# Altium PCB CT310高端控制盒核心板电路V1.3.PcbDoc (part 5 of 10)
Units mil, origin at the board's own origin, x right, y up, seen from the top; angles counter-clockwise.
Board outline 3735.76 x 4625 mil, 2 copper layers (TOP, BOTTOM), stack 10.4 mil thick; 198 components, 362 nets, 1085 pads, 352 vias.
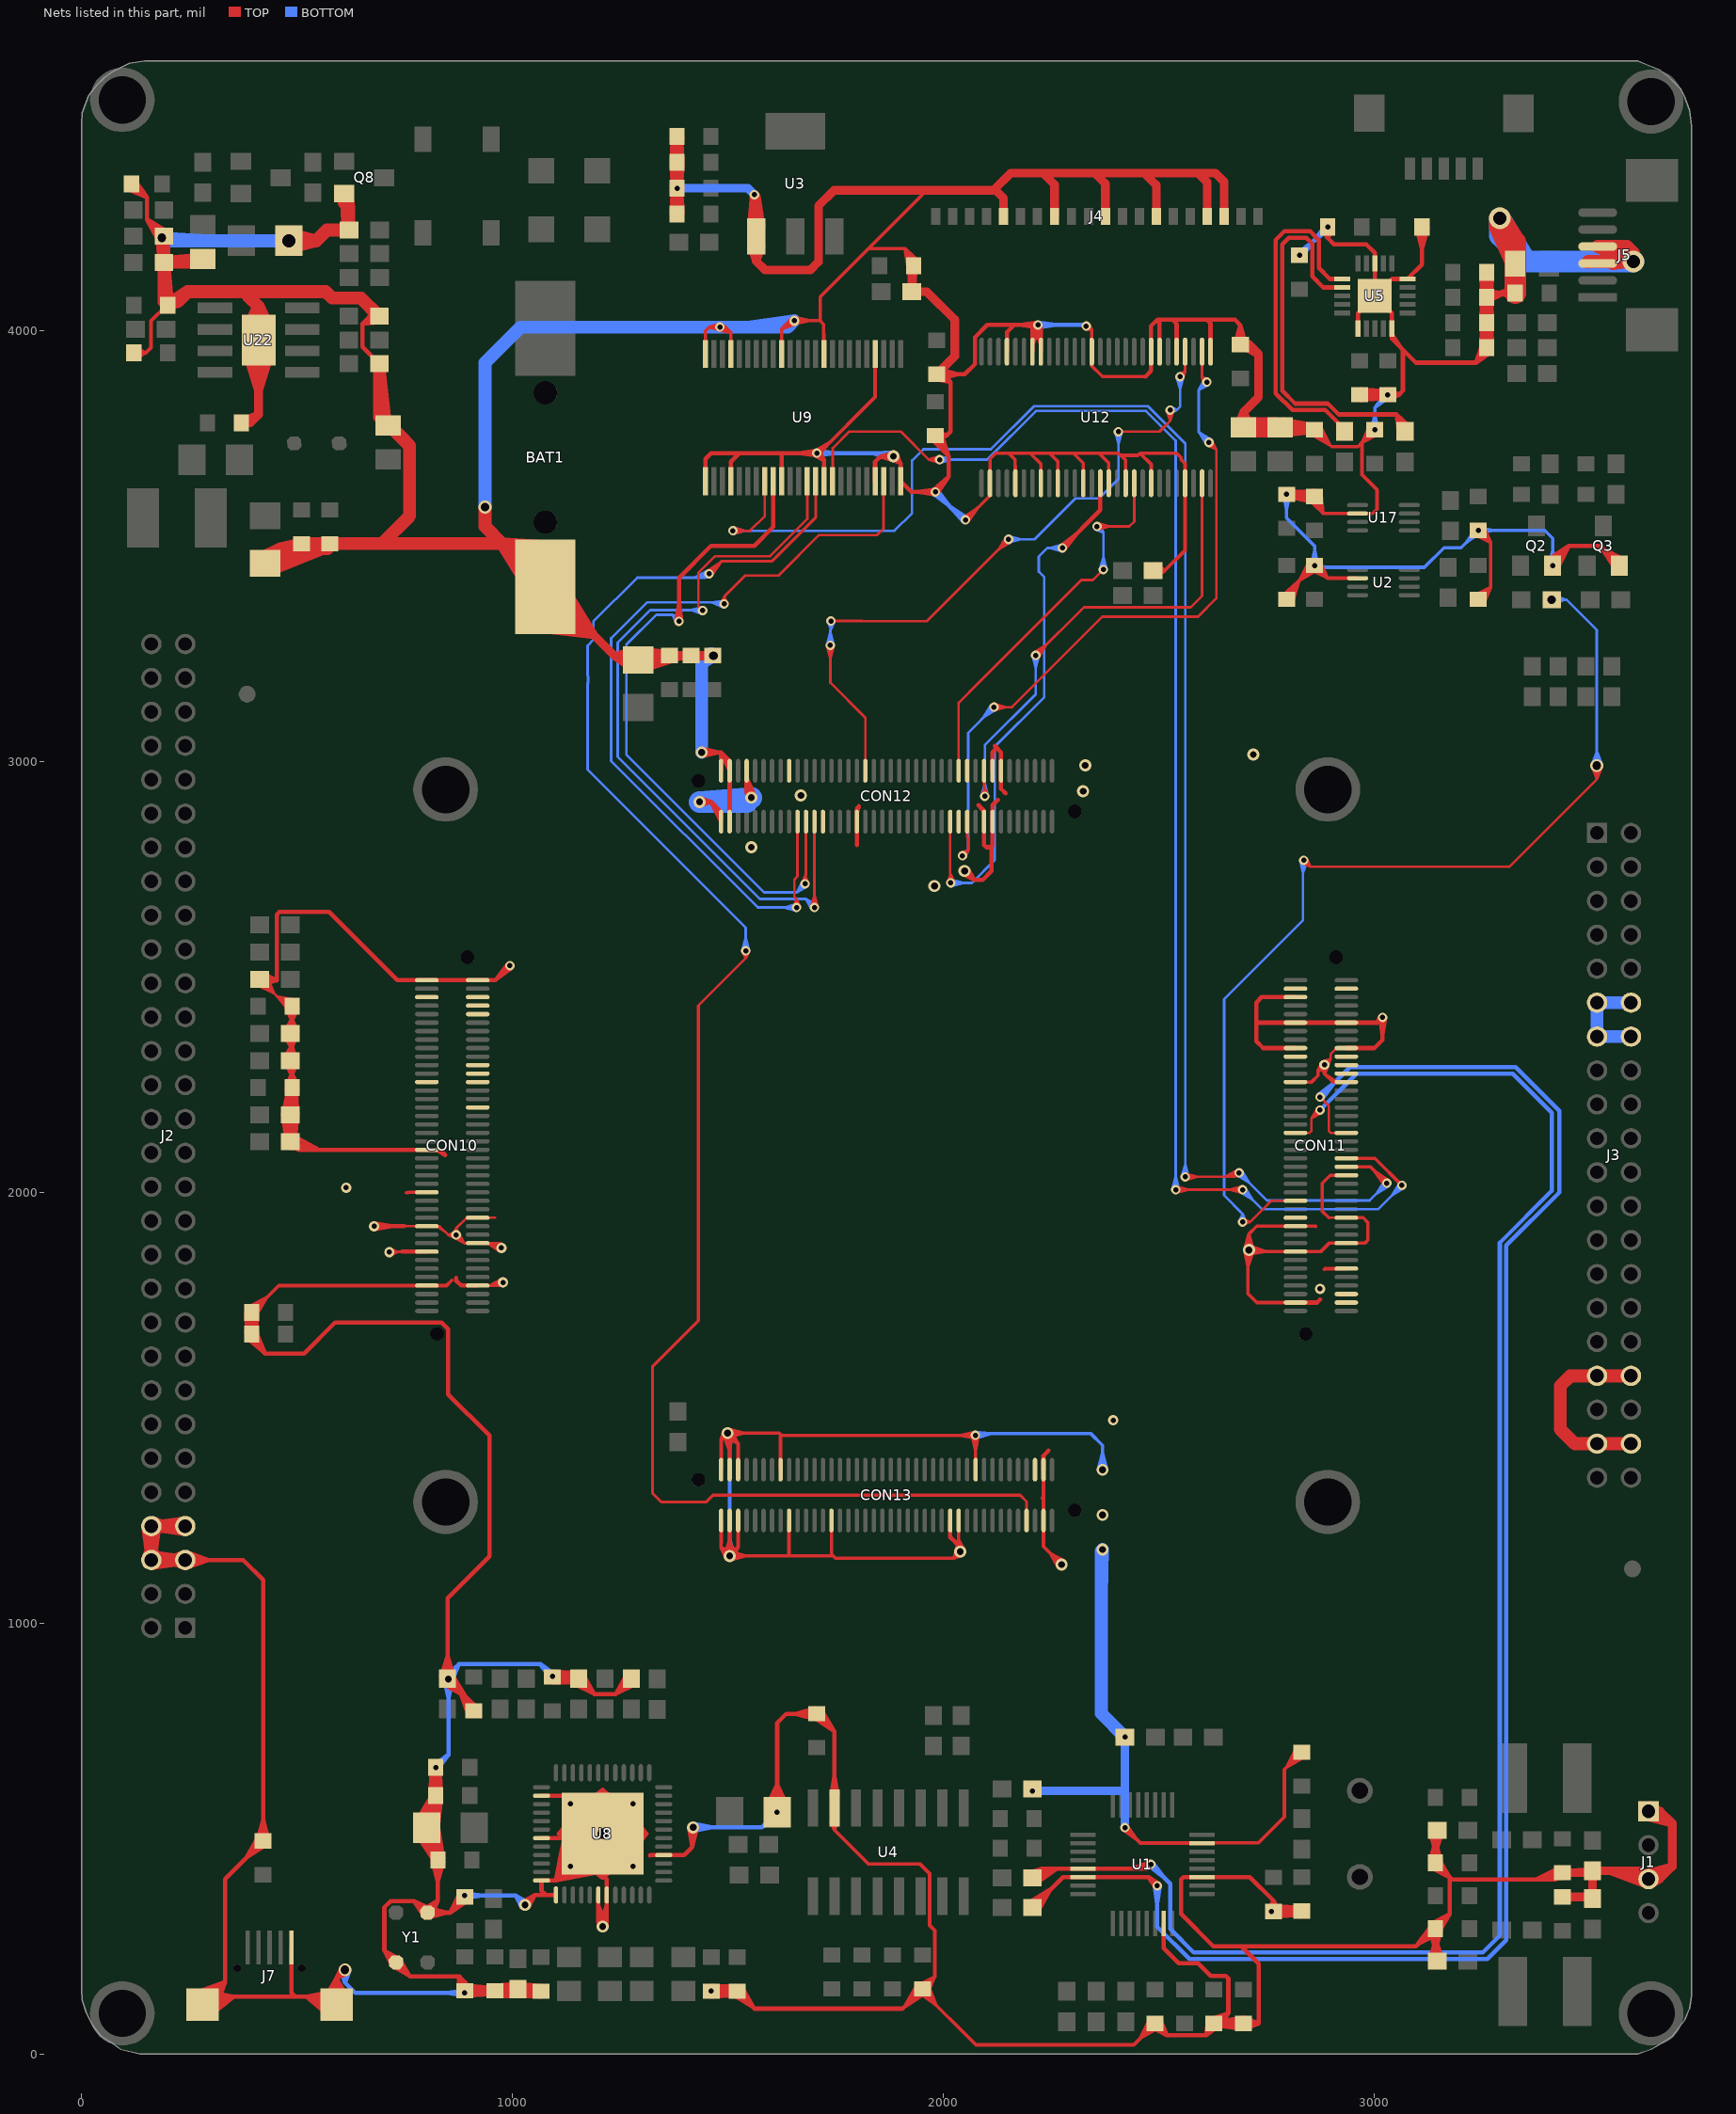
[diagram p5: the nets of this part, all layers, seen from the top]

## Via types
v1: diameter 22, hole 12, TOP to BOTTOM, tented both sides, 177 vias
v2: diameter 22, hole 12, TOP to BOTTOM, 89 vias
v3: diameter 28, hole 16, TOP to BOTTOM, 37 vias
v4: diameter 30, hole 20, TOP to BOTTOM, tented both sides, 26 vias
v5: diameter 24, hole 12, TOP to BOTTOM, 17 vias
v6: diameter 50, hole 30, TOP to BOTTOM, tented both sides, 5 vias
v7: diameter 40, hole 24, TOP to BOTTOM, 1 vias

## Nets (pads, with @x,y where several pads share a name; then routed paths per layer and width w, separated by ;. In a path a pad name is that pad's centre, name@x,y a point inside that pad or via, vN(x,y) a via of type N, cw(c..) or ccw(c..) an arc to the next point about the centre after c; other vN are vias at no path point) (continued)
GND: (continued)
  TOP w10: v2(1133.61,435.57) U8.49@1176.7,453.34 ; v2(1133.61,435.57) U8.49@1151.38,478.66 ; v2(1133.61,435.57) U8.49@1172.61,457.78 ; v2(1133.61,435.57) U8.49@1155.82,474.57 ; v2(1133.61,435.57) U8.49@1169.11,462.62 ; v2(1133.61,435.57) U8.49@1160.67,471.07 ; U8.49@1137.56,431.05 U8.49@1169.11,462.62 ; R45.2@1141.54,884.97 1091.52,882.39 R45.2@1141.54,884.97 ; R45.2@1141.86,873.41 1092.91,882.38 R45.2@1141.86,873.41 ; R45.2@1141.87,874.94 1092.73,882.4 R45.2@1141.87,874.94 ; R45.2@1141.87,874.94 1092.37,870.43 R45.2@1141.87,874.94 ; U8.49@1154.88,473.34 v7(1208.61,510.57) ; U8.49@1155.56,500.73 v7(1208.61,510.57) ; U8.49@1161.95,472.53 v7(1208.61,510.57) ; U8.49@1165.83,467.78 1129.66,440.08 U8.49@1165.83,467.78 ; U8.49@1165.83,467.78 1138.13,431.62 U8.49@1165.83,467.78 ; U8.49@1167.4,469.36 1217.77,498.69 U8.49@1167.4,469.36 ; U8.49@1167.4,469.36 1196.73,519.72 U8.49@1167.4,469.36 ; U8.49@1167.4,469.36 v7(1208.61,510.57) ; U8.49@1167.4,469.36 v7(1208.61,510.57) ; U8.49@1167.4,551.78 v7(1208.61,510.57) ; U8.49@1170.58,463.91 v7(1208.61,510.57) ; U8.49@1171.39,456.83 v7(1208.61,510.57) ; 1189.08,835 1238.86,835 ; 1198.77,344.4 v3(1208.61,295.57) ; v3(1208.61,295.57) 1218.46,344.4 ; 1319.4,461.36 U8.16@1350.35,461.36 1398.48,461.36 ; C44.1@1368.79,4326.34 C41.1@1381.39,4280.31 ; C44.1@1368.79,4326.34 v1(1381.39,4330) ; C44.1@1368.79,4333.66 C42.1@1381.39,4379.69 ; C44.1@1368.79,4333.66 v1(1381.39,4330) ; C41.1@1369.48,4289.11 v1(1381.39,4330) ; C42.1@1369.48,4370.89 v1(1381.39,4330) ; C41.1@1370.2,4277.77 C44.1@1387.18,4328.42 ; C41.1@1370.2,4277.77 v1(1381.39,4330) ; C42.1@1370.2,4382.23 C44.1@1387.18,4331.58 ; C42.1@1370.2,4382.23 v1(1381.39,4330) ; C44.1@1370.73,4319.24 C41.1@1381.39,4271.97 ; C44.1@1370.73,4340.76 C42.1@1381.39,4388.03 ; C43.1@1370.73,4439.24 C42.1@1381.39,4391.97 ; C41.1@1372.79,4288.29 C44.1@1387.17,4328.38 ; C41.1@1372.79,4288.29 1375.44,4330.79 C41.1@1372.79,4288.29 ; C41.1@1372.79,4288.29 v1(1381.39,4330) ; C41.1@1372.79,4288.29 C44.1@1387.17,4328.38 ; C41.1@1372.79,4288.29 v1(1381.39,4330) ; C42.1@1372.79,4371.71 1375.44,4329.21 C42.1@1372.79,4371.71 ; C42.1@1372.79,4371.71 C44.1@1387.17,4331.62 ; C42.1@1372.79,4371.71 v1(1381.39,4330) ; C42.1@1372.79,4371.71 C44.1@1387.17,4331.62 ; C42.1@1372.79,4371.71 v1(1381.39,4330) ; C44.1@1375.41,4329.56 C41.1@1381.39,4289 ; C44.1@1375.41,4329.56 C41.1@1381.39,4289 ; C44.1@1375.41,4329.56 C41.1@1381.39,4289 ; C44.1@1375.41,4329.56 C41.1@1381.39,4289 ; C44.1@1375.41,4330.44 C42.1@1381.39,4371 ; C44.1@1375.41,4330.44 C42.1@1381.39,4371 ; C44.1@1375.41,4330.44 C42.1@1381.39,4371 ; C44.1@1375.41,4330.44 C42.1@1381.39,4371 ; C44.1@1375.61,4328.38 C41.1@1389.99,4288.29 ; C44.1@1375.6,4328.42 C41.1@1392.58,4277.77 ; C44.1@1375.61,4328.38 C41.1@1389.99,4288.29 ; C44.1@1375.61,4331.62 C42.1@1389.99,4371.71 ; C44.1@1375.6,4331.58 C42.1@1392.58,4382.23 ; C44.1@1375.61,4331.62 C42.1@1389.99,4371.71 ; C41.1@1381.39,4271.97 C44.1@1381.39,4319.69 ; C41.1@1381.39,4271.97 C44.1@1392.05,4319.24 ; C41.1@1381.39,4271.97 C44.1@1381.39,4319.69 ; C41.1@1381.39,4271.97 1387.38,4329.69 C41.1@1381.39,4271.97 ; C41.1@1381.39,4271.97 1375.4,4329.69 C41.1@1381.39,4271.97 ; C41.1@1381.39,4271.97 v1(1381.39,4330) ; C41.1@1381.39,4271.97 v1(1381.39,4330) ; C41.1@1381.39,4280.31 C44.1@1393.99,4326.34 ; C41.1@1381.39,4280.31 1387.38,4329.64 C41.1@1381.39,4280.31 ; C41.1@1381.39,4280.31 1375.4,4329.64 C41.1@1381.39,4280.31 ; C41.1@1381.39,4280.31 v1(1381.39,4330) ; C41.1@1381.39,4280.31 v1(1381.39,4330) ; C41.1@1381.39,4289 C44.1@1387.37,4329.56 ; C41.1@1381.39,4289 C44.1@1387.37,4329.56 ; C41.1@1381.39,4289 v1(1381.39,4330) ; C41.1@1381.39,4289 C44.1@1387.37,4329.56 ; C41.1@1381.39,4289 v1(1381.39,4330) ; C41.1@1381.39,4289 C44.1@1387.37,4329.56 ; C41.1@1381.39,4289 v1(1381.39,4330) ; C44.1@1381.39,4319.69 1368.79,4273.66 C44.1@1381.39,4319.69 ; C44.1@1381.39,4319.69 1393.99,4273.66 C44.1@1381.39,4319.69 ; v1(1381.39,4330) C44.1@1393.99,4326.34 ; v1(1381.39,4330) C42.1@1381.39,4379.69 ; v1(1381.39,4330) C44.1@1393.99,4333.66 ; v1(1381.39,4330) C42.1@1381.39,4379.69 ; v1(1381.39,4330) C42.1@1381.39,4371 ; v1(1381.39,4330) C42.1@1389.99,4371.71 ; v1(1381.39,4330) C42.1@1381.39,4371 ; v1(1381.39,4330) C42.1@1392.58,4382.23 ; v1(1381.39,4330) C42.1@1381.39,4388.03 ; v1(1381.39,4330) C42.1@1393.3,4370.89 ; v1(1381.39,4330) C42.1@1381.39,4388.03 ; v1(1381.39,4330) C42.1@1389.99,4371.71 ; v1(1381.39,4330) C42.1@1381.39,4371 ; v1(1381.39,4330) C41.1@1389.99,4288.29 ; v1(1381.39,4330) C41.1@1393.3,4289.11 ; v1(1381.39,4330) C41.1@1392.58,4277.77 ; v1(1381.39,4330) C41.1@1389.99,4288.29 ; C44.1@1381.39,4340.31 1393.99,4386.34 C44.1@1381.39,4340.31 ; C44.1@1381.39,4340.31 1368.79,4386.34 C44.1@1381.39,4340.31 ; C44.1@1381.39,4340.31 C42.1@1381.39,4388.03 ; C44.1@1381.39,4340.31 C42.1@1381.39,4388.03 ; C42.1@1381.39,4371 C44.1@1387.37,4330.44 ; C42.1@1381.39,4371 C44.1@1387.37,4330.44 ; C42.1@1381.39,4371 C44.1@1387.37,4330.44 ; C42.1@1381.39,4371 C44.1@1387.37,4330.44 ; C42.1@1381.39,4379.69 C44.1@1393.99,4333.66 ; C42.1@1381.39,4379.69 1375.4,4330.36 C42.1@1381.39,4379.69 ; C42.1@1381.39,4379.69 1387.38,4330.36 C42.1@1381.39,4379.69 ; C42.1@1381.39,4388.03 C44.1@1392.05,4340.76 ; C42.1@1381.39,4388.03 1375.4,4330.31 C42.1@1381.39,4388.03 ; C42.1@1381.39,4388.03 1387.38,4330.31 C42.1@1381.39,4388.03 ; C42.1@1381.39,4391.97 C43.1@1381.39,4439.69 ; C42.1@1381.39,4391.97 C43.1@1392.05,4439.24 ; C42.1@1381.39,4391.97 C43.1@1381.39,4439.69 ; C43.1@1381.39,4439.69 1368.79,4393.66 C43.1@1381.39,4439.69 ; C43.1@1381.39,4439.69 1393.99,4393.66 C43.1@1381.39,4439.69 ; C41.1@1389.99,4288.29 1387.34,4330.79 C41.1@1389.99,4288.29 ; C42.1@1389.99,4371.71 1387.34,4329.21 C42.1@1389.99,4371.71 ; 1398.48,461.36 1417.12,480 1417.12,525.57 v3(1418.61,525.57) 1417.12,481.53 ; 1447.23,3701.47 1460.76,3715 1525.76,3715 ; 1460.52,2905.57 1483.73,2882.36 CON12.79@1483.73,2859.86 1460.52,2905.57 ; v1(1460.76,145.63) C39.2@1502.47,137.03 ; v1(1460.76,145.63) C39.2@1502.47,154.23 ; v1(1460.76,145.63) C39.2@1501.76,145.63 ; v1(1460.76,145.63) C39.2@1510.44,145.63 ; v1(1460.76,145.63) C28.1@1464.42,158.23 ; v1(1460.76,145.63) C39.2@1510.44,145.63 ; v1(1460.76,145.63) C28.1@1464.42,133.03 ; v1(1460.76,145.63) C39.2@1501.76,145.63 ; v1(1460.76,145.63) C39.2@1510,134.97 ; v1(1460.76,145.63) C28.1@1467.13,157.56 ; v1(1460.76,145.63) C39.2@1510,134.97 ; v1(1460.76,145.63) C28.1@1461.58,132.97 ; v1(1460.76,145.63) C39.2@1501.11,136.98 ; v1(1460.76,145.63) C39.2@1510,156.29 ; v1(1460.76,145.63) C28.1@1461.58,158.29 ; v1(1460.76,145.63) C39.2@1510,156.29 ; v1(1460.76,145.63) C28.1@1467.13,133.7 ; v1(1460.76,145.63) C39.2@1501.11,154.28 ; v1(1460.76,145.63) C39.2@1510.44,145.63 ; v1(1460.76,145.63) C28.1@1464.42,158.23 ; v1(1460.76,145.63) C39.2@1510.44,145.63 ; v1(1460.76,145.63) C28.1@1464.42,133.03 ; v1(1460.76,145.63) C39.2@1501.76,145.63 ; C28.1@1461.12,139.64 C39.2@1510.44,145.63 ; C28.1@1461.12,139.64 C39.2@1510.44,145.63 ; C28.1@1461.12,139.64 C39.2@1510.44,145.63 ; C28.1@1461.12,139.64 C39.2@1510.44,145.63 ; C28.1@1461.12,151.62 C39.2@1510.44,145.63 ; C28.1@1461.12,151.62 C39.2@1510.44,145.63 ; C28.1@1461.12,151.62 C39.2@1510.44,145.63 ; C28.1@1461.12,151.62 C39.2@1510.44,145.63 ; C28.1@1461.2,139.65 C39.2@1501.76,145.63 ; C28.1@1461.2,139.65 C39.2@1501.76,145.63 ; C28.1@1461.2,139.65 C39.2@1501.76,145.63 ; C28.1@1461.2,139.65 C39.2@1501.76,145.63 ; C28.1@1461.2,151.61 C39.2@1501.76,145.63 ; C28.1@1461.2,151.61 C39.2@1501.76,145.63 ; C28.1@1461.2,151.61 C39.2@1501.76,145.63 ; C28.1@1461.2,151.61 C39.2@1501.76,145.63 ; C28.1@1461.58,132.97 C39.2@1510,134.97 ; C28.1@1461.58,158.29 C39.2@1510,156.29 ; C28.1@1462.38,139.85 C39.2@1502.47,154.23 ; C28.1@1462.38,139.85 C39.2@1510,156.29 ; C28.1@1462.38,139.85 C39.2@1510,156.29 ; C28.1@1462.38,151.41 C39.2@1502.47,137.03 ; C28.1@1462.38,151.41 C39.2@1510,134.97 ; C28.1@1462.38,151.41 C39.2@1510,134.97 ; C28.1@1462.73,145.63 C39.2@1510.44,145.63 ; C28.1@1462.73,145.63 C39.2@1510,134.97 ; C28.1@1462.73,145.63 C39.2@1510,156.29 ; C28.1@1462.73,145.63 C39.2@1510.44,145.63 ; C28.1@1464.42,133.03 C39.2@1510.44,145.63 ; C28.1@1464.42,133.03 C39.2@1510.44,145.63 ; C28.1@1464.42,133.03 1466.75,145.94 C28.1@1464.42,133.03 ; C28.1@1464.42,133.03 1455.53,142.68 C28.1@1464.42,133.03 ; C28.1@1464.42,158.23 C39.2@1510.44,145.63 ; C28.1@1464.42,158.23 C39.2@1510.44,145.63 ; C28.1@1464.42,158.23 1455.53,148.58 C28.1@1464.42,158.23 ; C28.1@1464.42,158.23 1466.75,145.32 C28.1@1464.42,158.23 ; C28.1@1467.13,133.7 C39.2@1510,156.29 ; C28.1@1467.13,157.56 C39.2@1510,134.97 ; 1478.61,3020.57 1483.33,3020.57 ; 1478.61,3020.57 1483.73,3015.45 ; 1483.33,3020.57 1503.42,3000.48 CON12.78@1503.42,2977.98 ; 1483.33,3020.57 CON12.78@1503.42,2977.98 ; 1506.29,3695.53 1525.76,3715 ; C39.2@1510,134.97 1459.84,139.7 C39.2@1510,134.97 ; C39.2@1510,156.29 1459.84,151.56 C39.2@1510,156.29 ; 1525.76,3715 1620.76,3715 ; 1542.79,2926.39 v3(1553.61,2915.57) ; 1542.79,2926.39 CON12.74@1542.79,2955.48 ; CON12.74@1542.79,2955.48 v3(1553.61,2915.57) ; CON12.74@1542.79,2961.9 v3(1553.61,2915.57) ; 1611.39,603.97 v1(1613.73,560.57) ; v1(1613.73,560.57) 1616.07,603.97 ; v1(1613.73,560.57) 1613.73,601.57 ; 1613.73,601.57 1607.75,561.01 1613.73,601.57 ; 1613.73,601.57 1619.72,561.01 1613.73,601.57 ; 1620.76,3715 1624.4,3711.35 ; 1620.76,3715 v1(1705.76,3715) 1722.82,3697.94 ; 1798.69,2805.65 CON12.47@1798.69,2859.86 1798.69,2890.65 ; CON12.47@1798.69,2882.36 1798.69,2890.65 ; CON12.47@1798.69,2882.36 1803.61,2895.57 1798.69,2890.65 ; CON12.47@1798.69,2882.36 1798.69,2890.65 ; 1840.93,3695.17 1853.4,3707.64 ; 1853.4,3707.64 v3(1883.61,3707.64) 1900,3691.26 ; 1900,3691.26 U9.48@1900,3650 1925,3625 v1(1980.76,3625) ; 1939.76,3625 v1(1980.76,3625) ; v1(1980.76,3625) 2010.43,3658.67 ; C30.2@1997.49,3898.27 2049.03,3898.27 2072.55,3921.79 2072.55,3984.03 2101.17,4012.64 2163.61,4012.64 ; C30.2@1997.49,3898.27 2015.76,3880 ; 2006.39,3755.63 2015.76,3765 2015.76,3880 ; 2006.39,3755.63 1982.73,3755.63 2010.34,3710.11 ; 2015.76,3880 1985.58,3898.27 2033.3,3898.27 ; 2070.76,2725 2050.19,2745.57 v3(2048.61,2745.57) 2070.76,2725 ; 2070.76,2725 2090.76,2725 2110.76,2745 2110.76,2800.57 ; 2093.97,2805.21 2098.61,2800.57 2110.76,2800.57 ; 2110.76,2800.57 2113.65,2803.46 ; 2113.65,2803.46 CON12.15@2113.65,2859.86 2113.65,2898.36 ; 2133.34,2935.85 CON12.14@2133.34,2977.98 2133.34,3020.85 ; 2146.92,3995.95 2163.61,4012.64 ; 2163.61,4012.64 v1(2218.61,4012.64) ; 2205.76,4007.64 2205.98,4007.43 ; 2205.76,4007.64 v1(2218.61,4012.64) ; U12.50@2205.98,3967.5 v1(2218.61,4012.64) ; U12.50@2205.98,3977.68 2205.98,4007.43 ; U12.50@2205.98,3977.68 v1(2218.61,4012.64) ; 2205.98,4007.43 v1@2219.63,4006.73 ; 2205.98,4007.43 v1@2215.16,4017.55 ; 2205.98,4007.43 v1(2218.61,4012.64) ; 2205.98,4007.43 v1@2219.63,4006.73 ; 2205.98,4007.43 v1@2215.16,4017.55 ; 2205.98,4007.43 v1(2218.61,4012.64) ; 2205.98,4007.43 v1@2219.63,4006.73 ; 2205.98,4007.43 v1@2215.16,4017.55 ; 2205.98,4007.43 v1(2218.61,4012.64) ; v1(2218.61,4012.64) v1@2225.66,4005.6 ; v1(2218.61,4012.64) U12.49@2225.66,3977.68 ; v1(2218.61,4012.64) U12.49@2225.66,3968.58 ; U12.49@2225.66,3977.68 v1@2225.66,4005.6 ; 2481.57,3905.6 U12.36@2481.57,3950.52 2481.57,4010.19 ; 2481.57,4010.19 2496.07,4024.69 ; 2496.07,4024.69 2531.07,4024.69 ; 2510.78,244.98 2545.76,210 2590.76,210 2619.76,181 2654.76,181 2660.76,175 2660.76,95 ; 2518.48,42.91 2608.67,42.91 ; 2531.07,4024.69 2611.07,4024.69 ; 2556.23,410.47 U1.3@2599.36,410.47 2710.29,410.47 2765.76,355 ; 2556.23,410.47 2550.76,405 2550.76,325 2625.76,250 2690.76,250 ; 2608.67,42.91 2641.39,75.63 2660.76,95 ; 2611.07,4024.69 2676.07,4024.69 2688.61,4012.15 ; 2690.76,250 3095.76,250 3136.76,291 C18.2@3141.39,291 ; 2690.76,250 2731.39,209.37 2731.39,70.63 ; 2725.76,2395 2727.44,2393.32 CON11.12@2816.4,2393.32 CON11.11@2934.52,2393.32 3006.37,2393.32 ; v1(2760.76,330.63) 2765.76,355 ; v1(2760.76,330.63) 2765.76,355 ; v1(2760.76,330.63) 2801.76,330.63 ; v1(2760.76,330.63) C22.2@2815.44,330.63 ; v1(2760.76,330.63) C6.1@2769.42,343.23 ; v1(2760.76,330.63) C22.2@2815.44,330.63 ; v1(2760.76,330.63) C6.1@2769.42,318.03 ; v1(2760.76,330.63) 2801.76,330.63 ; v1(2760.76,330.63) C22.2@2815.74,321.63 ; v1(2760.76,330.63) C6.1@2767.03,317.93 ; v1(2760.76,330.63) 2801.55,324.29 ; v1(2760.76,330.63) C22.2@2815.76,340.62 ; v1(2760.76,330.63) C6.1@2766.77,343.31 ; v1(2760.76,330.63) 2801.5,337.66 ; v1(2760.76,330.63) C22.2@2815.45,331.08 ; v1(2760.76,330.63) C6.1@2769.3,343.25 ; v1(2760.76,330.63) C22.2@2815.45,331.08 ; v1(2760.76,330.63) C6.1@2769.54,318.04 ; v1(2760.76,330.63) 2801.76,330.95 ; 2765.76,355 2755.07,332.54 2765.76,355 ; 2765.76,355 2766.74,330.14 2765.76,355 ; C6.1@2766.77,343.31 C22.2@2815.76,340.62 ; C6.1@2767.03,317.93 C22.2@2815.74,321.63 ; C6.1@2767.73,330.63 C22.2@2815.44,330.63 ; C6.1@2767.73,330.63 C22.2@2815.74,321.63 ; C6.1@2767.73,330.63 C22.2@2815.76,340.62 ; C6.1@2767.73,330.63 C22.2@2815.45,331.08 ; C6.1@2769.3,343.25 C22.2@2815.45,331.08 ; C6.1@2769.42,318.03 C22.2@2815.44,330.63 ; C6.1@2769.42,343.23 C22.2@2815.44,330.63 ; C6.1@2769.54,318.04 C22.2@2815.45,331.08 ; 2801.76,330.63 2761.2,336.61 2801.76,330.63 ; 2801.76,330.63 2761.2,324.65 2801.76,330.63 ; C22.2@2815.44,330.63 2761.09,336.62 C22.2@2815.44,330.63 ; C22.2@2815.44,330.63 2761.09,324.64 C22.2@2815.44,330.63 ; C22.2@2815.45,331.08 2761.04,336.62 C22.2@2815.45,331.08 ; C22.2@2815.45,331.08 2761.14,324.64 C22.2@2815.45,331.08 ; C52.1@2879.14,4234.61 2891.39,4214.37 ; C52.1@2879.14,4234.61 v1(2891.39,4240) ; C52.1@2885.43,4239.3 2891.39,4214.37 ; C52.1@2885.43,4239.3 2891.39,4214.37 ; C52.1@2885.43,4239.3 2891.39,4214.37 ; C52.1@2885.43,4239.3 2891.39,4214.37 ; 2891.39,4214.37 2905.76,4200 2980.76,4200 3000.76,4180 ; 2891.39,4214.37 v1(2891.39,4240) ; 2891.39,4214.37 C52.1@2903.64,4234.61 ; 2891.39,4214.37 C52.1@2897.35,4239.3 ; 2891.39,4214.37 C52.1@2897.35,4239.3 ; 2891.39,4214.37 v1(2891.39,4240) ; 2891.39,4214.37 C52.1@2897.35,4239.3 ; 2891.39,4214.37 v1(2891.39,4240) ; 2891.39,4214.37 C52.1@2897.35,4239.3 ; 2891.39,4214.37 v1(2891.39,4240) ; v1(2891.39,4240) C52.1@2903.64,4234.61 ; U5.21@2961.39,4040.63 U5.21@3000.76,4080 ; C46.1@2967.73,3850.63 C51.1@3015.45,3850.63 ; C46.1@2967.73,3850.63 C51.1@3015.75,3841.13 ; C46.1@2967.73,3850.63 C51.1@3015.75,3860.13 ; C46.1@2967.73,3850.63 C51.1@3015.45,3850.63 ; C46.1@2981.08,3850.63 C51.1@3027.1,3838.03 ; C46.1@2981.08,3850.63 C51.1@3027.1,3863.23 ; C46.1@2981.08,3850.63 3030.4,3844.64 C46.1@2981.08,3850.63 ; C46.1@2981.08,3850.63 3030.4,3856.62 C46.1@2981.08,3850.63 ; C46.1@2981.08,3850.63 v1(3030.76,3850.63) ; C46.1@2981.08,3850.63 v1(3030.76,3850.63) ; 2988.87,3843.35 3031.37,3844.66 2988.87,3843.35 ; 2988.87,3843.35 3029.32,3856.45 2988.87,3843.35 ; 2988.87,3843.35 v1(3030.76,3850.63) ; 2988.87,3843.35 v1(3030.76,3850.63) ; 2988.87,3857.91 3029.32,3844.81 2988.87,3857.91 ; 2988.87,3857.91 3031.37,3856.6 2988.87,3857.91 ; 2988.87,3857.91 v1(3030.76,3850.63) ; 2988.87,3857.91 v1(3030.76,3850.63) ; 2989.76,3850.63 C51.1@3030.32,3844.65 ; 2989.76,3850.63 C51.1@3030.32,3856.61 ; 2989.76,3850.63 C51.1@3030.32,3844.65 ; 2989.76,3850.63 C51.1@3030.32,3856.61 ; 2989.76,3850.63 C51.1@3030.32,3844.65 ; 2989.76,3850.63 C51.1@3030.32,3856.61 ; 2989.76,3850.63 C51.1@3030.32,3844.65 ; 2989.76,3850.63 C51.1@3030.32,3856.61 ; 2989.76,3850.63 v1(3030.76,3850.63) ; U5.21@3000.76,4080 U5.21@3040.13,4040.63 ; U5.21@3000.76,4080 U5.18@3000.76,4155.79 3000.76,4180 ; U5.21@3000.76,4080 U5.21@3040.13,4119.37 ; C51.1@3015.45,3850.63 2969.42,3863.23 C51.1@3015.45,3850.63 ; C51.1@3015.45,3850.63 2969.42,3838.03 C51.1@3015.45,3850.63 ; C51.1@3015.45,3850.63 C51.1@3029.59,3844.75 ; C51.1@3015.45,3850.63 C51.1@3029.59,3856.51 ; C51.1@3015.45,3850.63 v1(3030.76,3850.63) ; C51.1@3015.45,3850.63 C51.1@3029.59,3844.75 ; C51.1@3015.45,3850.63 C51.1@3029.59,3856.51 ; C51.1@3015.45,3850.63 v1(3030.76,3850.63) ; C51.1@3015.45,3850.63 C51.1@3029.59,3844.75 ; C51.1@3015.45,3850.63 C51.1@3029.59,3856.51 ; C51.1@3015.45,3850.63 C51.1@3029.59,3844.75 ; C51.1@3015.45,3850.63 C51.1@3029.59,3856.51 ; C51.1@3015.45,3850.63 v1(3030.76,3850.63) ; C51.1@3015.45,3850.63 C51.1@3029.59,3844.75 ; C51.1@3015.45,3850.63 C51.1@3029.59,3856.51 ; C51.1@3015.45,3850.63 v1(3030.76,3850.63) ; C51.1@3015.45,3850.63 C51.1@3029.59,3844.75 ; C51.1@3015.45,3850.63 C51.1@3029.59,3856.51 ; C51.1@3027.1,3838.03 v1(3030.76,3850.63) ; C51.1@3027.1,3863.23 v1(3030.76,3850.63) ; v1(3030.76,3850.63) 3056.39,3850.63 ; v1(3030.76,3850.63) 3056.39,3850.63 ; v1(3030.76,3850.63) C51.1@3036.15,3862.88 ; v1(3030.76,3850.63) 3056.39,3850.63 ; v1(3030.76,3850.63) C51.1@3036.15,3838.38 ; v1(3030.76,3850.63) 3056.39,3850.63 ; C51.1@3031.46,3844.67 3056.39,3850.63 ; C51.1@3031.46,3844.67 3056.39,3850.63 ; C51.1@3031.46,3844.67 3056.39,3850.63 ; C51.1@3031.46,3844.67 3056.39,3850.63 ; C51.1@3031.46,3856.59 3056.39,3850.63 ; C51.1@3031.46,3856.59 3056.39,3850.63 ; C51.1@3031.46,3856.59 3056.39,3850.63 ; C51.1@3031.46,3856.59 3056.39,3850.63 ; C51.1@3036.15,3838.38 3056.39,3850.63 ; C51.1@3036.15,3862.88 3056.39,3850.63 ; 3040.13,3980.63 U5.10@3040.13,4004.21 U5.21@3040.13,4040.63 ; 3040.13,3980.63 3065.76,3955 ; 3040.13,3980.63 U5.10@3040.13,3991.42 ; 3040.13,3980.63 U5.10@3040.13,3991.42 ; 3056.39,3850.63 3065.76,3860 3065.76,3955 ; 3065.76,3955 3095.76,3925 3235.76,3925 ; 3100.97,255.22 3141.39,289.03 3141.39,241.31 ; C18.2@3141.39,291 3174.39,324 ; 3174.39,324 3174.39,410 ; 3235.76,3925 3260.13,3949.37 C55.1@3260.13,4086.67 ; C48.1@3249.05,4009.09 C47.1@3260.13,3961.97 ; C55.1@3249.05,4067.43 C48.1@3260.13,4020.3 ; C55.1@3249.05,4085.91 C54.1@3260.13,4133.03 ; C47.1@3260.13,3961.97 C48.1@3260.13,4009.69 ; C47.1@3260.13,3961.97 C48.1@3260.13,4009.69 ; C47.1@3260.13,3961.97 C48.1@3271.21,4009.09 ; C48.1@3260.13,4009.69 3247.53,3963.66 C48.1@3260.13,4009.69 ; C48.1@3260.13,4009.69 3272.73,3963.66 C48.1@3260.13,4009.69 ; C48.1@3260.13,4020.3 C55.1@3260.13,4068.02 ; C48.1@3260.13,4020.3 C55.1@3260.13,4068.02 ; C48.1@3260.13,4020.3 C55.1@3271.21,4067.43 ; C55.1@3260.13,4068.02 3247.53,4022 C55.1@3260.13,4068.02 ; C55.1@3260.13,4068.02 3272.73,4022 C55.1@3260.13,4068.02 ; C55.1@3260.13,4085.31 C54.1@3260.13,4133.03 ; C55.1@3260.13,4086.67 C54.1@3260.13,4133.03 ; C54.1@3260.13,4133.03 C55.1@3271.21,4085.91 ; v1(3413.26,3453.75) 3413.26,3462.5 3450.76,3500 ; v1(3413.26,3453.75) 3440.98,3490.22 ; v1(3413.26,3453.75) 3445.22,3488.94 ; v1(3413.26,3453.75) Q2.2@3425.42,3449.46 ; v1(3413.26,3453.75) 3440.7,3488.65 ; Q2.2@3425.42,3449.46 3450.76,3500
  TOP w20: C154.2@370.13,3786.97 410.19,3804.43 ; U22.9@381.14,3953.33 410.19,3858.3 ; U22.9@410.19,3957.67 410.19,3858.3 ; U22.9@410.19,3977.35 410.19,3804.43 ; U22.9@439.24,3953.33 410.19,3858.3 ; BAT1.2@1055.41,3308.56 1188.19,3292.57 ; BAT1.2@1059.37,3328.51 1188.19,3292.57 ; BAT1.2@1066.22,3347.42 1188.19,3292.57 ; BAT1.2@1075.76,3365 1188.19,3292.57 ; BAT1.2@1075.76,3405 1236.82,3243.94 ; BAT1.2@1087.82,3380.96 1188.19,3292.57 ; BAT1.2@1102.21,3395.01 1188.19,3292.57 ; BAT1.2@1118.74,3406.87 1188.19,3292.57 ; C118.2@1278.69,3215.22 1236.82,3243.94 ; C118.2@1285.99,3256.6 1236.82,3243.94 ; C118.2@1286.82,3235.12 1236.82,3243.94 ; C118.2@1290.76,3235.12 C118.2@1299.58,3243.94 ; C118.2@1294.89,3256.61 C130.2@1361.65,3245.26 ; C118.2@1294.94,3256.61 1386.15,3244.82 ; C118.2@1295.15,3256.61 1387.1,3243.94 ; C118.2@1295.74,3256.59 1334.4,3243.94 ; C118.2@1299.2,3214.1 1387.1,3243.94 ; C118.2@1299.45,3214.15 1386.15,3244.82 ; C118.2@1301.25,3214.64 C130.2@1361.65,3245.26 ; C118.2@1304.74,3216.11 1334.4,3243.94 ; C42.1@1375.76,4402.13 v1(1381.39,4330) ; C42.1@1376.43,4400.85 v1(1381.39,4330) ; 1390.73,3243.94 v4(1465.76,3245) ; 1390.76,3244.04 v4(1465.76,3245) ; 1390.76,3245.26 v4(1465.76,3245) ; U3.1@1553.59,4239.57 v1@1565.21,4310.55 ; U3.1@1553.7,4195.43 1565.21,4160.55 ; U3.1@1554.14,4242.9 v1(1560.76,4315) ; U3.1@1565.21,4197.28 1565.21,4160.55 ; U3.1@1565.21,4238.62 v1@1565.21,4310.55 ; U3.1@1565.21,4242.9 v1(1560.76,4315) ; U3.1@1565.21,4242.97 v1(1560.76,4315) ; U3.1@1576.01,4244.55 v1(1560.76,4315) ; U3.1@1576.71,4195.43 1565.21,4160.55 ; U3.1@1576.82,4239.57 v1@1565.21,4310.55 ; R26.1@1928.16,4090 1960.76,4090 ; C150.2@1930.13,4148.03 R26.1@1926.19,4090 ; C150.2@1930.13,4150 1926.19,4146.06 R26.1@1926.19,4090 ; C30.2@1983.61,3898.27 2025.76,3940.42 ; C30.2@1985.58,3898.27 2025.76,3940.42 ; J4.16@2139.22,4265 2139.22,4306.54 ; J4.16@2139.22,4273.86 2139.22,4306.54 ; 2235.76,4360 2257.33,4338.43 ; J4.13@2257.33,4265 2257.33,4338.43 ; J4.13@2257.33,4273.86 2257.33,4338.43 ; 2355.76,4360 2375.44,4340.31 ; J4.10@2375.44,4265 2375.44,4340.31 ; J4.10@2375.44,4273.86 2375.44,4340.31 ; 2470.76,4360 2493.56,4337.2 ; J4.7@2493.56,4265 2493.56,4337.2 ; J4.7@2493.56,4273.86 2493.56,4337.2 ; J4.4@2611.67,4265 2611.67,4344.09 ; J4.4@2611.67,4273.86 2611.67,4344.09 ; J4.3@2651.04,4265 2651.04,4344.72 ; J4.3@2651.04,4273.86 2651.04,4344.69 ; C59.2@2682.4,3777.95 2695.76,3810 ; C60.2@2688.61,3967.01 2708.75,3967.01 ; C59.2@2700.4,3761.71 C56.2@2773.68,3761.7 ; C59.2@2700.4,3788.84 C56.2@2773.68,3788.85 ; C59.2@2702.84,3761.7 C56.2@2780.76,3775.28 ; C59.2@2702.84,3788.85 C56.2@2780.76,3775.28 ; C59.2@2702.93,3761.71 C56.2@2774.85,3775.28 ; C59.2@2702.93,3788.84 C56.2@2774.85,3775.28 ; C59.2@2705.42,3762.18 C56.2@2773.68,3788.85 ; C59.2@2705.42,3788.37 C56.2@2773.68,3761.7 ; C59.2@2709.12,3777.95 2695.76,3810 ; C149.2@2860.76,3769.37 C149.2@2854.85,3775.28 ; J1.3@3630.69,418.27 3690.76,435 ; J1.1@3630.94,550.37 3690.76,535 ; J1.3@3631.91,392.56 3547.51,424.57 ; J1.3@3637.6,419.13 3547.51,424.57 ; J1.1@3643.26,574.48 3690.76,535 ; J1.3@3643.45,394.39 3690.76,435 ; 390.76,3785 410.19,3804.43 ; 390.76,3785 C154.2@370.13,3785 390.76,3785 ; 1236.82,3243.94 C118.2@1299.58,3243.94 ; C118.2@1294.7,3235.12 1386.15,3244.82 ; C118.2@1294.7,3235.12 1334.4,3243.94 ; C118.2@1294.7,3235.12 1387.1,3243.94 ; C118.2@1294.7,3235.12 C130.2@1361.65,3245.26 ; C118.2@1299.58,3243.94 1464.61,3243.94 C129.2@1416.08,3245.26 ; C118.2@1299.58,3243.94 C130.2@1361.65,3245.26 ; 1334.4,3243.94 C129.2@1412.15,3245.26 ; C130.2@1365.58,3245.26 C128.2@1462.65,3245.26 ; C130.2@1365.58,3245.26 1384.89,3243.94 ; C130.2@1365.58,3245.26 1443.33,3243.94 ; C130.2@1365.58,3245.26 C129.2@1412.15,3245.26 ; C130.2@1365.58,3245.26 C129.2@1412.15,3245.26 ; C130.2@1365.58,3245.26 C129.2@1412.15,3245.26 ; C130.2@1365.58,3245.26 v4(1465.76,3245) ; C41.1@1375.76,4275.63 1375.76,4450 C42.1@1381.39,4391.97 ; C41.1@1375.76,4275.63 1381.39,4328.03 C41.1@1381.39,4271.97 ; C41.1@1375.76,4275.63 v1(1381.39,4330) ; C41.1@1375.76,4275.63 v1(1381.39,4330) ; C41.1@1381.39,4271.97 1375.76,4350.55 v1(1381.39,4330) ; C41.1@1381.39,4271.97 v1(1381.39,4330) ; C41.1@1381.39,4271.97 v1(1381.39,4330) ; v1(1381.39,4330) C42.1@1381.39,4388.03 ; v1(1381.39,4330) 1375.76,4309.77 C42.1@1381.39,4388.03 ; v1(1381.39,4330) C42.1@1381.39,4388.03 ; C42.1@1381.39,4388.03 1381.39,4331.97 1375.76,4410.24 C42.1@1381.39,4391.97 ; C42.1@1381.39,4388.03 1375.76,4369.69 1381.39,4448.03 C42.1@1381.39,4391.97 ; 1384.89,3243.94 C128.2@1462.65,3245.26 ; 1384.89,3243.94 C129.2@1412.15,3245.26 ; 1384.89,3243.94 C129.2@1412.15,3245.26 ; C129.2@1416.08,3245.26 C128.2@1462.65,3245.26 ; C129.2@1416.08,3245.26 C128.2@1462.65,3245.26 ; C129.2@1416.08,3245.26 1443.33,3243.94 ; C129.2@1416.08,3245.26 v4(1465.76,3245) ; C129.2@1416.08,3245.26 v4(1465.76,3245) ; C129.2@1416.08,3245.26 v4(1465.76,3245) ; C129.2@1416.08,3245.26 v4(1465.76,3245) ; 1443.33,3243.94 v4(1465.76,3245) ; 1443.33,3243.94 v4(1465.76,3245) ; v1(1560.76,4315) v1@1565.21,4310.55 ; 1565.21,4160.55 1585.76,4140 1690.76,4140 1709.66,4158.9 1709.66,4288.9 1745.76,4325 1960.76,4325 2115.76,4325 ; 1565.21,4160.55 U3.1@1565.21,4217.95 v1@1565.21,4310.55 ; R26.1@1926.19,4090 1960.76,4090 ; 1960.76,4090 2025.76,4025 2025.76,3940.42 ; 2115.76,4325 2120.76,4325 2139.22,4306.54 ; 2115.76,4325 2155.76,4365 2590.76,4365 ; 2590.76,4365 2630.76,4365 2651.04,4344.72 ; 2590.76,4365 2611.67,4344.09 ; C60.2@2690.58,3967.01 2708.75,3967.01 ; C60.2@2690.58,3967.01 2730.76,3945 ; C60.2@2690.58,3967.01 2708.75,3967.01 ; C59.2@2695.76,3775.28 2695.76,3810 ; C59.2@2695.76,3775.28 C56.2@2780.76,3775.28 ; C59.2@2695.76,3775.28 C56.2@2773.68,3761.7 ; C59.2@2695.76,3775.28 C56.2@2773.68,3788.85 ; C59.2@2695.76,3775.28 C56.2@2774.85,3775.28 ; 2695.76,3810 2730.76,3845 2730.76,3945 ; C59.2@2701.67,3775.28 C56.2@2780.76,3775.28 ; C59.2@2701.67,3775.28 C56.2@2773.68,3761.7 ; C59.2@2701.67,3775.28 C56.2@2773.68,3788.85 ; C59.2@2701.67,3775.28 C56.2@2774.85,3775.28 ; 2708.75,3967.01 2730.76,3945 ; C56.2@2780.76,3775.28 C149.2@2854.85,3775.28 ; C56.2@2780.76,3775.28 C149.2@2858.79,3769.37 ; C149.2@2854.85,3775.28 2788.03,3788.83 C149.2@2858.79,3769.37 ; C149.2@2854.85,3775.28 2788.03,3761.72 C149.2@2858.79,3769.37 ; C149.2@2854.85,3775.28 2786.67,3775.28 C149.2@2858.79,3769.37 ; R14.1@3501.82,364.37 C17.2@3435.76,364.37 R14.1@3505.76,362.4 ; R14.1@3501.82,364.37 R14.1@3505.76,360.43 ; R14.1@3501.82,364.37 3437.73,364.37 R14.1@3505.76,362.4 ; R32.2@3501.82,420.63 R32.2@3505.76,424.57 ; R32.2@3501.82,420.63 C20.2@3435.76,420.63 R32.2@3505.76,422.6 ; R32.2@3501.82,420.63 3437.73,420.63 R32.2@3505.76,422.6 ; R14.1@3505.76,360.43 R32.2@3505.76,424.57 ; R14.1@3505.76,360.43 R32.2@3505.76,422.6 ; R14.1@3505.76,362.4 R32.2@3505.76,424.57 ; R14.1@3505.76,362.4 R32.2@3505.76,422.6 ; R32.2@3505.76,424.57 3616.82,424.57 J1.3@3635.76,405.63 ; 3547.51,424.57 J1.3@3635.76,405.63 ; J1.3@3635.76,405.63 3661.39,405.63 ; J1.3@3635.76,405.63 3690.76,435 ; J1.3@3635.76,405.63 3661.39,405.63 ; J1.1@3635.76,563.11 3662.65,563.11 ; J1.1@3635.76,563.11 3690.76,535 ; J1.1@3635.76,563.11 3662.65,563.11 ; 3661.39,405.63 3690.76,435 ; 3661.39,405.63 3639.38,418.76 3661.39,405.63 ; 3661.39,405.63 3639.38,392.5 3661.39,405.63 ; 3662.65,563.11 3690.76,535 ; 3662.65,563.11 3639.21,576.29 3662.65,563.11 ; 3662.65,563.11 3639.21,549.93 3662.65,563.11 ; 3690.76,435 3690.76,535